# Allegro board FMDEMOD-57.brd (continued)
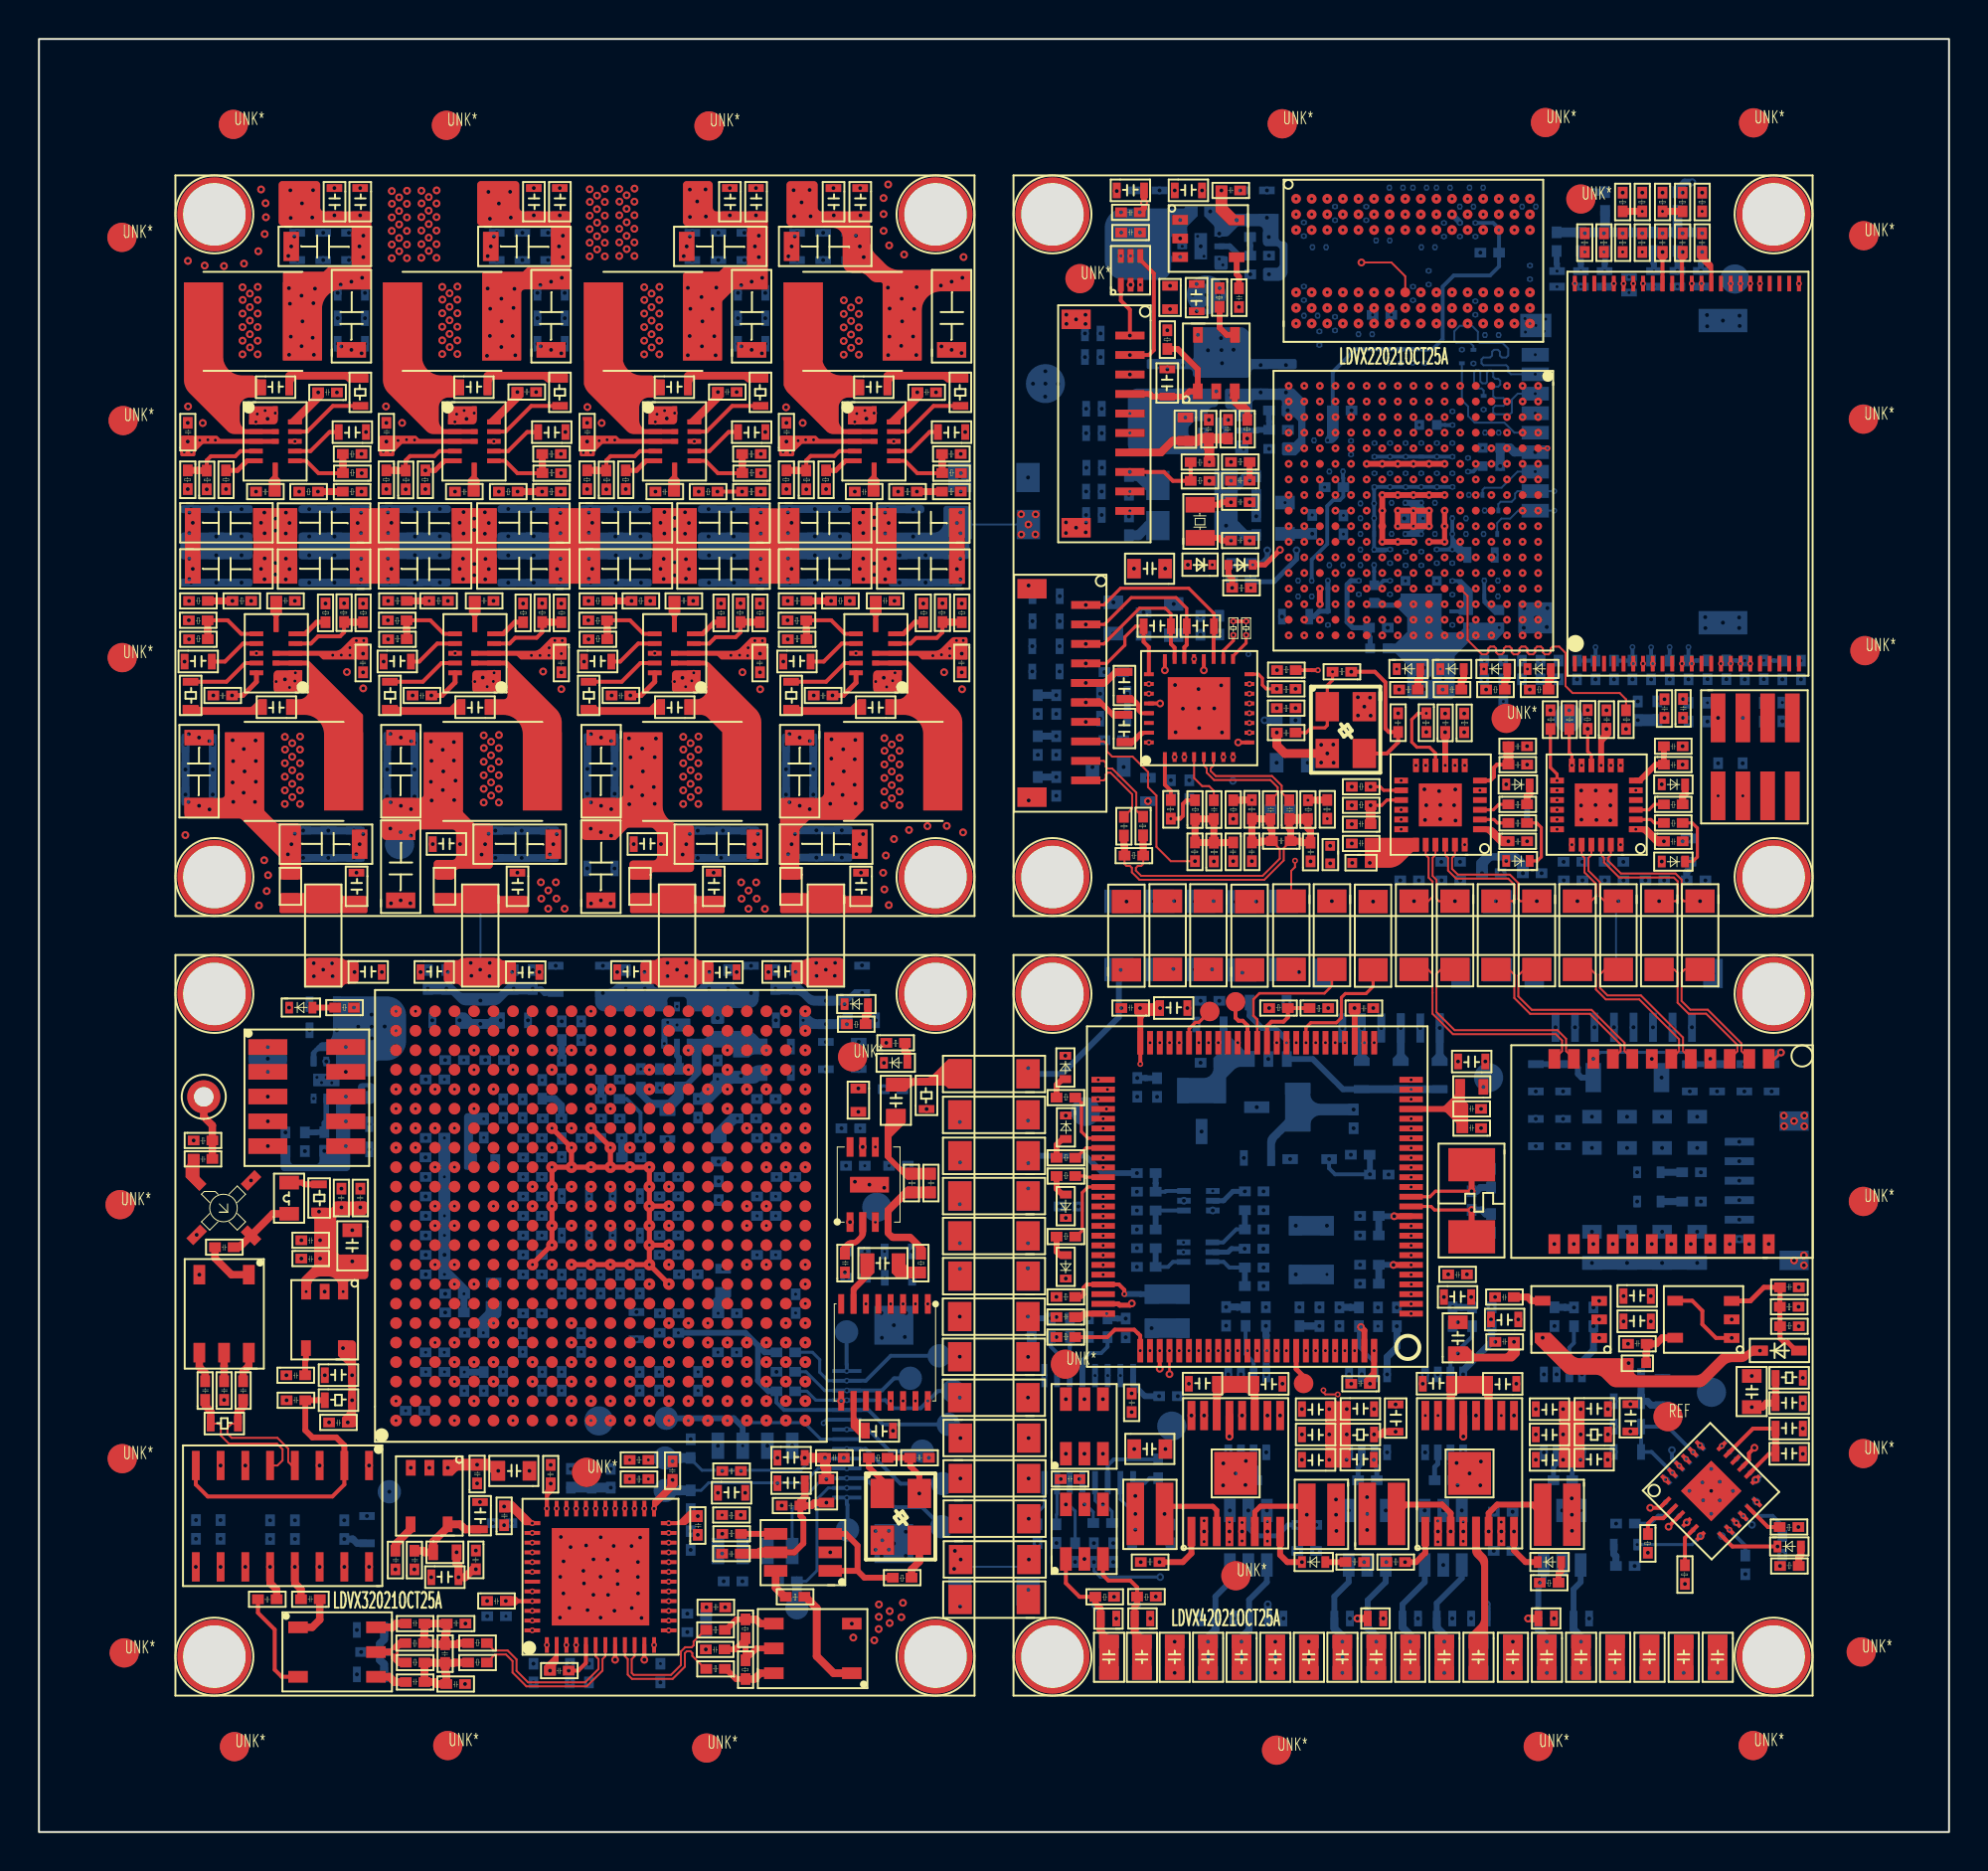
[diagram p0: board, top side]
## Placement (name value [footprint] x y rotation side) (continued)
NOREF#304  -  []  56.28 61.18 0 top
NOREF#305  -  []  16.16 21.75 90 top
NOREF#306  -  []  35.27 68.39 90 top
NOREF#307  -  []  27.73 30.2 90 top
NOREF#308  -  []  67.5 7.96 90 top
NOREF#309  -  []  73.07 67.01 90 top
NOREF#310  -  []  78.05 54.75 90 top
NOREF#311  -  []  14.1 49.32 90 top
NOREF#312  -  []  61.72 35.8 0 top
NOREF#313  -  []  38.17 49.9 90 top
NOREF#314  -  []  5.82 52.82 90 top
NOREF#315  -  []  54.35 58.81 0 top
NOREF#316  -  []  26.44 54.14 90 top
NOREF#317  -  []  27.19 61.61 90 top
NOREF#318  -  []  84.97 79.2 90 top
NOREF#319  -  []  65.84 34.99 0 top
NOREF#320  -  []  90.47 12.48 0 top
NOREF#321  -  []  26.27 64 90 top
NOREF#322  -  []  65.32 50.31 90 top
NOREF#323  -  []  62.33 7.97 90 top
NOREF#324  -  []  32.17 23.15 90 top
NOREF#325  -  []  7 47 90 top
NOREF#326  -  []  61.08 11.22 0 top
NOREF#327  -  []  17.29 70.24 0 top
NOREF#328  -  []  16.43 15.53 0 top
NOREF#329  -  []  29.18 67.97 0 top
NOREF#330  -  []  72.98 63.97 90 top
NOREF#331  -  []  34.39 26.23 90 top
NOREF#332  -  []  12.23 23.05 0 top
NOREF#333  -  []  26.43 63.99 90 top
NOREF#334  -  []  22.26 26.45 90 top
NOREF#335  -  []  61.52 17.5 90 top
NOREF#336  -  []  55.87 28.79 0 top
NOREF#337  -  []  52.56 66.52 0 top
NOREF#338  -  []  82.3 21.21 0 top
NOREF#339  -  []  64.72 53.4 0 top
NOREF#340  -  []  67.5 7.97 90 top
NOREF#341  -  []  62.59 82.73 90 top
NOREF#342  -  []  80.3 32.25 0 top
NOREF#343  -  []  73.19 67.92 0 top
NOREF#344  -  []  20.16 69.58 0 top
NOREF#345  -  []  80.87 80.61 0 top
NOREF#346  -  []  82.06 20.45 90 top
NOREF#347  -  []  85.77 9.97 90 top
NOREF#348  -  []  72.17 24.36 90 top
NOREF#349  -  []  21.43 64.02 90 top
NOREF#350  -  []  8.25 70.18 90 top
NOREF#351  -  []  60.19 77.8 90 top
NOREF#352  -  []  18.62 68.55 90 top
NOREF#353  -  []  79.64 49.39 90 top
NOREF#354  -  []  33.12 82.16 0 top
NOREF#355  -  []  32.01 50.29 90 top
NOREF#356  -  []  31.8 74.54 0 top
NOREF#357  -  []  8 21.07 0 top
NOREF#358  -  []  56.28 61.18 90 top
NOREF#359  -  []  70.9 23.41 0 top
NOREF#360  -  []  38.24 52.8 90 top
NOREF#361  -  []  71.5 48.44 0 top
NOREF#362  -  []  38.23 54.44 0 top
NOREF#363  -  []  70.4 26.6 90 top
NOREF#364  -  []  84.08 48.44 0 top
NOREF#365  -  []  28.61 57.52 90 top
NOREF#366  -  []  78.81 79.19 90 top
NOREF#367  -  []  35.03 49.32 90 top
NOREF#368  -  []  39.48 49.9 0 top
NOREF#369  -  []  35.37 7.2 0 top
NOREF#370  -  []  75.95 20.2 0 top
NOREF#371  -  []  36.5 10.45 0 top
NOREF#372  -  []  75.68 15.42 90 top
NOREF#373  -  []  21.26 37.45 90 top
NOREF#374  -  []  12.66 11.55 90 top
NOREF#375  -  []  41.6 18.3 90 top
NOREF#376  -  []  15.28 71.42 90 top
NOREF#377  -  []  110.6 59.7 90 top
NOREF#378  -  []  59.63 71.04 0 top
NOREF#379  -  []  26.26 25.44 90 top
NOREF#380  -  []  56.2 47.97 90 top
NOREF#381  -  []  87.13 58.68 90 top
NOREF#382  -  []  68.25 60.99 0 top
NOREF#383  -  []  75.91 38.63 90 top
NOREF#384  -  []  58.9 7.97 90 top
NOREF#385  -  []  16.09 44.53 0 top
NOREF#386  -  []  25.72 81.37 0 top
NOREF#387  -  []  79.96 82.72 90 top
NOREF#388  -  []  40.18 62.78 90 top
NOREF#389  -  []  83.96 58.59 0 top
NOREF#390  -  []  84.79 50.44 90 top
NOREF#391  -  []  34.61 63.5 0 top
NOREF#392  -  []  56.51 79.39 90 top
NOREF#393  -  []  73.58 61.75 90 top
NOREF#394  -  []  60.19 77.8 0 top
NOREF#395  -  []  28.52 70.88 90 top
NOREF#396  -  []  14.11 23.05 90 top
NOREF#397  -  []  55.52 7.97 90 top
NOREF#398  -  []  53.63 68.48 90 top
NOREF#399  -  []  46.87 73.07 90 top
NOREF#400  -  []  64.1 13.26 0 top
NOREF#401  -  []  83.3 24.75 90 top
NOREF#402  -  []  13 63.99 0 top
NOREF#403  -  []  76.81 51.39 90 top
NOREF#404  -  []  23 51.48 90 top
NOREF#405  -  []  74.93 54.38 90 top
NOREF#406  -  []  26.26 31.44 90 top
NOREF#407  -  []  87.15 56.52 90 top
NOREF#408  -  []  63.57 76.97 0 top
NOREF#409  -  []  70.7 17.66 90 top
NOREF#410  -  []  68.09 76.05 0 top
NOREF#411  -  []  71.13 15.42 0 top
NOREF#412  -  []  79.9 20.8 90 top
NOREF#413  -  []  25.31 43.74 0 top
NOREF#414  -  []  27.74 61.59 0 top
NOREF#415  -  []  37.7 9.42 90 top
NOREF#416  -  []  72.29 63.81 0 top
NOREF#417  -  []  68.17 12.68 0 top
NOREF#418  -  []  66.5 76.69 90 top
NOREF#419  -  []  64.28 25.5 0 top
NOREF#420  -  []  86 58.69 90 top
NOREF#421  -  []  70.12 65.3 0 top
NOREF#422  -  []  13.29 10.5 0 top
NOREF#423  -  []  17.77 34.23 90 top
NOREF#424  -  []  22.58 40.96 0 top
NOREF#425  -  []  33.65 38.17 0 top
NOREF#426  -  []  77.58 58.68 90 top
NOREF#427  -  []  32.15 62.78 90 top
NOREF#428  -  []  35.77 71.42 90 top
NOREF#429  -  []  36.6 63.5 0 top
NOREF#430  -  []  74.93 51.39 0 top
NOREF#431  -  []  63.05 57.28 0 top
NOREF#432  -  []  63.01 27.62 0 top
NOREF#433  -  []  28.03 49.03 0 top
NOREF#434  -  []  85.02 76.62 90 top
NOREF#435  -  []  55.87 30.72 0 top
NOREF#436  -  []  29.18 67.2 0 top
NOREF#437  -  []  56.13 17.92 90 top
NOREF#438  -  []  83.79 56.7 90 top
NOREF#439  -  []  64.48 51.13 0 top
NOREF#440  -  []  7.37 60.47 0 top
NOREF#441  -  []  23.11 73.73 90 top
NOREF#442  -  []  8.04 67.98 0 top
NOREF#443  -  []  14.75 64.01 0 top
NOREF#444  -  []  36.56 49.88 90 top
NOREF#445  -  []  45.5 68.39 90 top
NOREF#446  -  []  30.49 36.13 90 top
NOREF#447  -  []  66.61 41.89 90 top
NOREF#448  -  []  19.31 27.88 90 top
NOREF#449  -  []  13.66 80.56 90 top
NOREF#450  -  []  7.42 54.11 0 top
NOREF#451  -  []  23.83 17.03 90 top
NOREF#452  -  []  20.16 64.01 90 top
NOREF#453  -  []  78.92 80.61 0 top
NOREF#454  -  []  34.86 33.22 90 top
NOREF#455  -  []  66.74 34.99 90 top
NOREF#456  -  []  54.19 17.92 0 top
NOREF#457  -  []  17.69 43.72 90 top
NOREF#458  -  []  73.77 60.56 0 top
NOREF#459  -  []  41.17 82.85 90 top
NOREF#460  -  []  72 37.9 0 top
NOREF#461  -  []  55.24 9.95 0 top
NOREF#462  -  []  58.74 31.89 90 top
NOREF#463  -  []  37.85 11.68 0 top
NOREF#464  -  []  20.94 11.46 0 top
NOREF#465  -  []  59.45 73.92 90 top
NOREF#466  -  []  7 85 0 top
NOREF#467  -  []  63.22 73.34 90 top
NOREF#468  -  []  22.78 31 0 top
NOREF#469  -  []  68.6 21.3 90 top
NOREF#470  -  []  29.63 49.03 90 top
NOREF#471  -  []  75.9 24.21 0 top
NOREF#472  -  []  44.89 30.19 90 top
NOREF#473  -  []  91.8 92.3 0 top
NOREF#474  -  []  46.87 74.67 0 top
NOREF#475  -  []  17.45 31.08 90 top
NOREF#476  -  []  73.39 44.71 90 top
NOREF#477  -  []  64.66 83.77 0 top
NOREF#478  -  []  58.74 32.89 0 top
NOREF#479  -  []  58.63 68.94 90 top
NOREF#480  -  []  90.01 58.68 90 top
NOREF#481  -  []  73.23 7.97 90 top
NOREF#482  -  []  77.59 79.19 0 top
NOREF#483  -  []  72.57 36.51 0 top
NOREF#484  -  []  25.37 69.33 90 top
NOREF#485  -  []  13 29.03 0 top
NOREF#486  -  []  60.33 30.59 90 top
NOREF#487  -  []  37.27 10.36 90 top
NOREF#488  -  []  79.8 24.05 0 top
NOREF#489  -  []  43.16 33.8 0 top
NOREF#490  -  []  14.7 51.48 90 top
NOREF#491  -  []  70.22 67.97 0 top
NOREF#492  -  []  27.89 64.77 0 top
NOREF#493  -  []  76.81 54.38 90 top
NOREF#494  -  []  29.72 68.44 0 top
NOREF#495  -  []  67.5 7.96 90 top
NOREF#496  -  []  71.07 78.22 0 top
NOREF#497  -  []  60.39 61.47 90 top
NOREF#498  -  []  80.05 25.35 90 top
NOREF#499  -  []  82.3 36.9 90 top
NOREF#500  -  []  88.7 37.9 90 top
NOREF#501  -  []  82.3 31 90 top
NOREF#502  -  []  58.7 38.04 0 top
NOREF#503  -  []  29.98 36.22 0 top
NOREF#504  -  []  61.69 80.5 90 top
NOREF#505  -  []  5.82 52.82 0 top
NOREF#506  -  []  36.63 54.12 90 top
NOREF#507  -  []  54.35 57.54 0 top
NOREF#508  -  []  71.48 7.97 90 top
NOREF#509  -  []  76.25 7.97 90 top
NOREF#510  -  []  55.97 67.78 90 top
NOREF#511  -  []  23.33 82.17 0 top
NOREF#512  -  []  7.42 54.41 90 top
NOREF#513  -  []  66.3 20.31 0 top
NOREF#514  -  []  80.87 82.69 90 top
NOREF#515  -  []  77.58 60.56 0 top
NOREF#516  -  []  74.75 29.65 0 top
NOREF#517  -  []  37.98 35.22 0 top
NOREF#518  -  []  81.96 48.44 0 top
NOREF#519  -  []  68.59 18.7 90 top
NOREF#520  -  []  44.6 73.48 90 top
NOREF#521  -  []  70.07 74.76 0 top
NOREF#522  -  []  13 66.36 0 top
NOREF#523  -  []  28.07 26.54 0 top
NOREF#524  -  []  17.43 68.44 90 top
NOREF#525  -  []  36.48 18.14 90 top
NOREF#526  -  []  39.83 61.78 90 top
NOREF#527  -  []  84.24 60.56 0 top
NOREF#528  -  []  92.35 24.78 90 top
NOREF#529  -  []  29.85 18.7 0 top
NOREF#530  -  []  17.79 29.22 90 top
NOREF#531  -  []  44.44 28.05 90 top
NOREF#532  -  []  52.63 14.36 0 top
NOREF#533  -  []  56.42 23.9 0 top
NOREF#534  -  []  61.66 49.35 0 top
NOREF#535  -  []  80.87 82.69 0 top
NOREF#536  -  []  42.59 35.72 90 top
NOREF#537  -  []  81.82 56.14 90 top
NOREF#538  -  []  66.51 49.65 90 top
NOREF#539  -  []  36.63 55.39 0 top
NOREF#540  -  []  31.49 5.62 0 top
NOREF#541  -  []  34.41 9.87 0 top
NOREF#542  -  []  29.18 65.6 90 top
NOREF#543  -  []  64.03 39.66 90 top
NOREF#544  -  []  58.67 82.76 90 top
NOREF#545  -  []  31.17 68.39 0 top
NOREF#546  -  []  78.5 7.97 90 top
NOREF#547  -  []  25.19 42.06 0 top
NOREF#548  -  []  73.8 74.74 0 top
NOREF#549  -  []  42.88 39.28 0 top
NOREF#550  -  []  63.56 81.45 90 top
NOREF#551  -  []  69.68 67.18 90 top
NOREF#552  -  []  39.26 23.22 90 top
NOREF#553  -  []  14.18 82.16 0 top
NOREF#554  -  []  39.69 59.66 90 top
NOREF#555  -  []  63.3 66.41 90 top
NOREF#556  -  []  26.27 64 0 top
NOREF#557  -  []  76.65 60.56 0 top
NOREF#558  -  []  64.89 27.62 90 top
NOREF#559  -  []  62.63 63.77 90 top
NOREF#560  -  []  6.57 60.72 0 top
NOREF#561  -  []  69.34 55.98 90 top
NOREF#562  -  []  66.24 71.18 0 top
NOREF#563  -  []  60.38 26.48 0 top
NOREF#564  -  []  82.8 27.1 90 top
NOREF#565  -  []  72.73 7.97 90 top
NOREF#566  -  []  83.76 79.2 0 top
NOREF#567  -  []  17.78 52.8 90 top
NOREF#568  -  []  33.97 64 0 top
NOREF#569  -  []  57.72 11.26 90 top
NOREF#570  -  []  63.32 34.99 90 top
NOREF#571  -  []  4.22 54.41 0 top
NOREF#572  -  []  13.38 13.94 0 top
NOREF#573  -  []  14.88 29.97 90 top
NOREF#574  -  []  50.95 53.1 90 top
NOREF#575  -  []  43.29 31 0 top
NOREF#576  -  []  18.07 56.97 0 top
NOREF#577  -  []  54.21 55.63 90 top
NOREF#578  -  []  56.26 50.68 90 top
NOREF#579  -  []  90.6 71.7 0 top
NOREF#580  -  []  25.48 76.77 0 top
NOREF#581  -  []  83.22 80.66 90 top
NOREF#582  -  []  24.98 7.22 90 top
NOREF#583  -  []  53.34 24.23 0 top
NOREF#584  -  []  64.93 58.27 90 top
NOREF#585  -  []  62.66 41.89 90 top
NOREF#586  -  []  39.4 64 90 top
NOREF#587  -  []  36.6 59.04 90 top
NOREF#588  -  []  54.51 14.36 90 top
NOREF#589  -  []  39.84 78.96 0 top
NOREF#590  -  []  42.23 41.25 90 top
NOREF#591  -  []  57.75 27.83 90 top
NOREF#592  -  []  72.33 65.91 0 top
NOREF#593  -  []  66.9 53.24 90 top
NOREF#594  -  []  26.29 23.15 0 top
NOREF#595  -  []  54.77 10.25 0 top
NOREF#596  -  []  79.9 80.61 0 top
NOREF#597  -  []  20.51 46.29 0 top
NOREF#598  -  []  12.57 61.75 90 top
NOREF#599  -  []  79.5 80.66 90 top
NOREF#600  -  []  67.09 69.5 0 top
NOREF#601  -  []  70.22 75.77 0 top
NOREF#602  -  []  21.08 43.72 90 top
NOREF#603  -  []  39.48 49.9 90 top
NOREF#604  -  []  82.33 58.68 90 top
NOREF#605  -  []  17.43 68.44 0 top
NOREF#606  -  []  41.96 49.88 90 top
NOREF#607  -  []  72.75 84.2 0 top
NOREF#608  -  []  48.4 69.19 90 top
NOREF#609  -  []  24.41 11.47 90 top
NOREF#610  -  []  87 27.95 0 top
NOREF#611  -  []  16.34 41.13 0 top
NOREF#612  -  []  82.33 60.56 0 top
NOREF#613  -  []  68.62 66.37 0 top
NOREF#614  -  []  76.13 27.06 90 top
NOREF#615  -  []  34.68 53.08 0 top
NOREF#616  -  []  56.94 82.72 90 top
NOREF#617  -  []  74.93 51.39 90 top
NOREF#618  -  []  60.67 47.74 90 top
NOREF#619  -  []  80.03 79.19 90 top
NOREF#620  -  []  70.86 9.66 0 top
NOREF#621  -  []  74.25 27.06 0 top
NOREF#622  -  []  68.92 31.22 0 top
NOREF#623  -  []  79.87 50.17 0 top
NOREF#624  -  []  36.5 8.35 0 top
NOREF#625  -  []  62.07 66.09 0 top
NOREF#626  -  []  70.13 85.63 0 top
NOREF#627  -  []  11.82 21.07 90 top
NOREF#628  -  []  65.12 82.71 90 top
NOREF#629  -  []  36.05 67.97 0 top
NOREF#630  -  []  64.89 32.48 90 top
NOREF#631  -  []  45.76 61.61 90 top
NOREF#632  -  []  57.48 73.55 90 top
NOREF#633  -  []  29.72 68.44 90 top
NOREF#634  -  []  17.67 8.84 0 top
NOREF#635  -  []  26 80.56 90 top
NOREF#636  -  []  15.91 13.94 0 top
NOREF#637  -  []  27.64 7.89 90 top
NOREF#638  -  []  26.53 80.57 90 top
NOREF#639  -  []  33.41 16.67 0 top
NOREF#640  -  []  28.02 47.95 90 top
NOREF#641  -  []  62.5 32.6 90 top
NOREF#642  -  []  16.1 60.98 0 top
NOREF#643  -  []  21.9 63.56 0 top
NOREF#644  -  []  31.46 36.13 0 top
NOREF#645  -  []  74.19 17.6 0 top
NOREF#646  -  []  82.91 51.39 0 top
NOREF#647  -  []  61.17 41.38 0 top
NOREF#648  -  []  61.48 61.81 0 top
NOREF#649  -  []  47.75 68.39 90 top
NOREF#650  -  []  58.92 50.95 90 top
NOREF#651  -  []  17.79 32 0 top
NOREF#652  -  []  54.04 24.3 90 top
NOREF#653  -  []  20.22 9.31 90 top
NOREF#654  -  []  75.04 73.06 0 top
NOREF#655  -  []  13.14 51.48 90 top
NOREF#656  -  []  73.76 30.82 0 top
NOREF#657  -  []  75.85 33.57 90 top
NOREF#658  -  []  45.52 20.99 90 top
NOREF#659  -  []  30.7 46.29 0 top
NOREF#660  -  []  21.38 26.01 0 top
NOREF#661  -  []  32.81 10.81 90 top
NOREF#662  -  []  20.44 7.2 0 top
NOREF#663  -  []  39.98 42.05 0 top
NOREF#664  -  []  63.01 30.53 0 top
NOREF#665  -  []  85.8 18.7 0 top
NOREF#666  -  []  37.5 68.39 90 top
NOREF#667  -  []  19.44 68.44 90 top
NOREF#668  -  []  20.16 64.01 0 top
NOREF#669  -  []  88.5 38.71 0 top
NOREF#670  -  []  47.54 37 90 top
NOREF#671  -  []  19.32 61.78 90 top
NOREF#672  -  []  12.57 62.53 0 top
NOREF#673  -  []  14.56 23.85 0 top
NOREF#674  -  []  72.71 39.13 0 top
NOREF#675  -  []  57.65 7.97 90 top
NOREF#676  -  []  74.86 74.74 90 top
NOREF#677  -  []  87.02 55.3 0 top
NOREF#678  -  []  60.76 63.45 0 top
NOREF#679  -  []  28.33 33.04 0 top
NOREF#680  -  []  70.1 17.1 0 top
NOREF#681  -  []  38.19 50.12 0 top
NOREF#682  -  []  29.07 26.54 0 top
NOREF#683  -  []  19.96 7.53 0 top
NOREF#684  -  []  17.58 64.01 0 top
NOREF#685  -  []  25.48 77.27 90 top
NOREF#686  -  []  75.95 84.2 0 top
NOREF#687  -  []  26.26 33.44 90 top
NOREF#688  -  []  22.86 35.22 90 top
NOREF#689  -  []  22.53 11.47 0 top
NOREF#690  -  []  74.5 82.25 90 top
NOREF#691  -  []  24.98 67.98 90 top
NOREF#692  -  []  79.75 7.97 90 top
NOREF#693  -  []  24.09 74.27 0 top
NOREF#694  -  []  74.93 51.39 0 top
NOREF#695  -  []  22.78 28.22 90 top
NOREF#696  -  []  25.71 53.08 0 top
NOREF#697  -  []  39.97 37.44 0 top
NOREF#698  -  []  25.29 23.15 0 top
NOREF#699  -  []  90.7 40.9 0 top
NOREF#700  -  []  32.12 17.6 90 top
NOREF#701  -  []  73.06 38.01 90 top
NOREF#702  -  []  57.01 52.5 90 top
NOREF#703  -  []  19.21 68.43 90 top
NOREF#704  -  []  84.76 11.22 0 top
NOREF#705  -  []  83.67 80.66 0 top
NOREF#706  -  []  32.66 33.85 90 top
NOREF#707  -  []  79.63 9.66 0 top
NOREF#708  -  []  36.12 44.55 90 top
NOREF#709  -  []  54.21 59.12 0 top
NOREF#710  -  []  24.38 25.44 0 top
NOREF#711  -  []  15.77 32.55 0 top
NOREF#712  -  []  19.41 7.69 90 top
NOREF#713  -  []  68.92 41.89 90 top
NOREF#714  -  []  32.44 41.22 0 top
NOREF#715  -  []  35.62 70.32 0 top
NOREF#716  -  []  37.79 18.31 0 top
NOREF#717  -  []  57.75 30.72 90 top
NOREF#718  -  []  70.77 72.94 0 top
NOREF#719  -  []  68.75 71.45 0 top
NOREF#720  -  []  76.7 20.3 0 top
NOREF#721  -  []  82.91 80.61 90 top
NOREF#722  -  []  81.64 56.59 90 top
NOREF#723  -  []  57.72 9.66 90 top
NOREF#724  -  []  70.49 9.97 90 top
NOREF#725  -  []  71.37 83.68 90 top
NOREF#726  -  []  63.3 54.23 0 top
NOREF#727  -  []  63.08 9.97 90 top
NOREF#728  -  []  81.88 78.89 90 top
NOREF#729  -  []  55.87 31.68 0 top
NOREF#730  -  []  33.65 38.17 90 top
NOREF#731  -  []  38.92 66.38 90 top
NOREF#732  -  []  17.04 36.73 0 top
NOREF#733  -  []  41.65 42.25 0 top
NOREF#734  -  []  78.3 22.91 0 top
NOREF#735  -  []  64.54 52.19 0 top
NOREF#736  -  []  25.65 34.18 0 top
NOREF#737  -  []  51.91 32.49 90 top
NOREF#738  -  []  30.36 35.08 90 top
NOREF#739  -  []  59.36 11.22 0 top
NOREF#740  -  []  35.98 72.71 0 top
NOREF#741  -  []  14.59 10.77 0 top
NOREF#742  -  []  68.77 62.02 90 top
NOREF#743  -  []  53.62 67.88 0 top
NOREF#744  -  []  45.08 64.01 90 top
NOREF#745  -  []  38.77 82.17 0 top
NOREF#746  -  []  35.62 68.39 0 top
NOREF#747  -  []  33.36 49.88 0 top
NOREF#748  -  []  53.57 75.98 0 top
NOREF#749  -  []  25.36 70.32 0 top
NOREF#750  -  []  77.77 50.17 0 top
NOREF#751  -  []  43.15 67.97 0 top
NOREF#752  -  []  43.16 33.8 90 top
NOREF#753  -  []  82.06 15.44 0 top
NOREF#754  -  []  35.17 23.15 90 top
NOREF#755  -  []  25.51 71.42 0 top
NOREF#756  -  []  35.5 25.9 90 top
NOREF#757  -  []  39.4 64 0 top
NOREF#758  -  []  80.59 18.7 90 top
NOREF#759  -  []  36.34 17 90 top
NOREF#760  -  []  18.64 34.62 90 top
NOREF#761  -  []  62.62 55.01 0 top
NOREF#762  -  []  73.44 82.25 0 top
NOREF#763  -  []  81.89 24.85 90 top
NOREF#764  -  []  34.74 17.81 0 top
NOREF#765  -  []  25.75 49.32 90 top
NOREF#766  -  []  40.7 64 0 top
NOREF#767  -  []  77.94 56.14 90 top
NOREF#768  -  []  45.84 18.03 0 top
NOREF#769  -  []  35.6 61.62 90 top
NOREF#770  -  []  74.93 50.45 0 top
NOREF#771  -  []  65.5 23.4 90 top
NOREF#772  -  []  33.26 24.44 90 top
NOREF#773  -  []  57.4 53.05 0 top
NOREF#774  -  []  22.65 36.18 90 top
NOREF#775  -  []  29.85 17.72 0 top
NOREF#776  -  []  65.78 7.97 90 top
NOREF#777  -  []  33.75 8.98 0 top
NOREF#778  -  []  67.8 17.9 90 top
NOREF#779  -  []  79.07 56.15 90 top
NOREF#780  -  []  28.92 57.93 0 top
NOREF#781  -  []  80.03 79.19 0 top
NOREF#782  -  []  41.82 46.15 0 top
NOREF#783  -  []  74.93 54.38 0 top
NOREF#784  -  []  29.57 44.53 0 top
NOREF#785  -  []  42.23 42.85 0 top
NOREF#786  -  []  62.48 37.19 0 top
NOREF#787  -  []  74.96 77.24 90 top
NOREF#788  -  []  73.94 65.91 0 top
NOREF#789  -  []  55.87 32.64 0 top
NOREF#790  -  []  37.36 79.38 0 top
NOREF#791  -  []  67.96 9.66 90 top
NOREF#792  -  []  35.63 70.11 0 top
NOREF#793  -  []  12.18 40.73 90 top
NOREF#794  -  []  32.98 32.22 0 top
NOREF#795  -  []  27.17 23.15 90 top
NOREF#796  -  []  89.84 56.53 90 top
NOREF#797  -  []  84.24 56.52 90 top
NOREF#798  -  []  26.41 59.04 0 top
NOREF#799  -  []  70.27 77.41 90 top
NOREF#800  -  []  69.68 66.37 90 top
NOREF#801  -  []  27.89 67.2 0 top
NOREF#802  -  []  17.59 67.97 0 top
NOREF#803  -  []  72.88 82.25 90 top
NOREF#804  -  []  16.16 23.04 90 top
NOREF#805  -  []  31.84 33.85 0 top
NOREF#806  -  []  77.02 89.62 0 top
NOREF#807  -  []  24.38 34.44 0 top
NOREF#808  -  []  34.6 18.14 0 top
NOREF#809  -  []  34.03 10.73 0 top
NOREF#810  -  []  73.9 77.24 0 top
NOREF#811  -  []  34.59 15.88 0 top
NOREF#812  -  []  36.42 41 0 top
NOREF#813  -  []  22.78 29 0 top
NOREF#814  -  []  89.06 58.68 90 top
NOREF#815  -  []  38.43 29.65 0 top
NOREF#816  -  []  76.77 69.8 0 top
NOREF#817  -  []  55.07 81.68 90 top
NOREF#818  -  []  75.67 48.8 90 top
NOREF#819  -  []  88.89 58.69 90 top
NOREF#820  -  []  74.94 13.18 90 top
NOREF#821  -  []  39.86 31.22 90 top
NOREF#822  -  []  19.52 25.96 0 top
NOREF#823  -  []  64.26 71.56 0 top
NOREF#824  -  []  83.01 9.97 90 top
NOREF#825  -  []  55.47 14.36 90 top
NOREF#826  -  []  57.65 7.97 90 top
NOREF#827  -  []  45.26 66.37 90 top
NOREF#828  -  []  24.75 42.81 90 top
NOREF#829  -  []  53.59 14.36 0 top
NOREF#830  -  []  72.72 69.96 0 top
NOREF#831  -  []  45.97 61.62 0 top
NOREF#832  -  []  74.74 60.56 0 top
NOREF#833  -  []  13.25 32.88 90 top
NOREF#834  -  []  17.78 34 0 top
NOREF#835  -  []  23.04 49.88 0 top
NOREF#836  -  []  13.79 56.52 90 top
NOREF#837  -  []  74.74 56.59 90 top
NOREF#838  -  []  53.57 76.59 90 top
NOREF#839  -  []  63.19 61.81 90 top
NOREF#840  -  []  33.83 16.11 90 top
NOREF#841  -  []  83.94 82.69 0 top
NOREF#842  -  []  31.73 17.72 90 top
NOREF#843  -  []  58.29 76.97 0 top
NOREF#844  -  []  37.86 72.71 90 top
NOREF#845  -  []  7.47 34.15 0 top
NOREF#846  -  []  84.55 23.88 90 top
NOREF#847  -  []  54.49 49.07 0 top
NOREF#848  -  []  9.76 62.64 90 top
NOREF#849  -  []  16.08 74.67 0 top
NOREF#850  -  []  54.66 10.72 90 top
NOREF#851  -  []  18.73 12.38 0 top
NOREF#852  -  []  85.51 11.22 0 top
NOREF#853  -  []  38.17 49.9 0 top
NOREF#854  -  []  39.49 36.95 90 top
NOREF#855  -  []  15.57 82.85 90 top
NOREF#856  -  []  38.38 8.35 90 top
NOREF#857  -  []  83.77 11.22 0 top
NOREF#858  -  []  15.46 31.52 90 top
NOREF#859  -  []  28.21 40.17 90 top
NOREF#860  -  []  38.68 36.95 0 top
NOREF#861  -  []  69.68 65.57 90 top
NOREF#862  -  []  58.29 75.37 90 top
NOREF#863  -  []  34.77 44.41 90 top
NOREF#864  -  []  30.49 36.13 0 top
NOREF#865  -  []  20.16 67.98 90 top
NOREF#866  -  []  24.43 22.58 0 top
NOREF#867  -  []  84.1 31 90 top
NOREF#868  -  []  16.46 10.77 90 top
NOREF#869  -  []  68.09 76.05 90 top
NOREF#870  -  []  55.24 14.21 0 top
NOREF#871  -  []  82.91 82.69 90 top
NOREF#872  -  []  10.77 24.6 90 top
NOREF#873  -  []  70.05 12.68 90 top
NOREF#874  -  []  22.65 36.18 0 top
NOREF#875  -  []  62.59 82.73 0 top
NOREF#876  -  []  21.57 57.31 90 top
NOREF#877  -  []  27.89 65.6 90 top
NOREF#878  -  []  6 6 90 top
NOREF#879  -  []  15.23 77.27 90 top
NOREF#880  -  []  58.3 13.72 0 top
NOREF#881  -  []  37.38 23 0 top
NOREF#882  -  []  62.64 64.72 90 top
NOREF#883  -  []  35.63 8.98 90 top
NOREF#884  -  []  70.27 12.68 0 top
NOREF#885  -  []  36.7 66.36 90 top
NOREF#886  -  []  80.3 38.15 0 top
NOREF#887  -  []  39.35 30.18 0 top
NOREF#888  -  []  57.08 82.73 0 top
NOREF#889  -  []  51.96 18.5 0 top
NOREF#890  -  []  30.86 35.22 90 top
NOREF#891  -  []  72.72 68.41 0 top
NOREF#892  -  []  85.22 56.52 90 top
NOREF#893  -  []  78.72 80.66 0 top
NOREF#894  -  []  56.88 25.22 90 top
NOREF#895  -  []  39.83 53.63 90 top
NOREF#896  -  []  43.35 12.66 0 top
NOREF#897  -  []  27.83 18.17 0 top
NOREF#898  -  []  11.41 32.31 0 top
NOREF#899  -  []  24.18 43.71 90 top
NOREF#900  -  []  62.66 42.67 0 top
NOREF#901  -  []  55.87 27.83 0 top
NOREF#902  -  []  26.44 55.42 90 top
NOREF#903  -  []  75.38 72.38 90 top
NOREF#904  -  []  90.01 60.56 0 top
NOREF#905  -  []  52.58 56.91 90 top
NOREF#906  -  []  55.53 68.15 0 top
NOREF#907  -  []  74.94 13.96 0 top
NOREF#908  -  []  68.92 30.22 0 top
NOREF#909  -  []  24.68 80.56 90 top
NOREF#910  -  []  61.34 73.34 0 top
NOREF#911  -  []  81.2 27.91 0 top
NOREF#912  -  []  19.18 59.66 90 top
NOREF#913  -  []  81.26 9.97 90 top
NOREF#914  -  []  61.18 79.67 0 top
NOREF#915  -  []  83.28 60.56 0 top
NOREF#916  -  []  10.8 66.37 90 top
NOREF#917  -  []  87.02 13.73 0 top
NOREF#918  -  []  64.26 70.58 0 top
NOREF#919  -  []  8.49 57.93 0 top
NOREF#920  -  []  72.57 35.73 90 top
NOREF#921  -  []  30.44 50.12 0 top
NOREF#922  -  []  40.28 39.9 90 top
NOREF#923  -  []  74.93 52.34 90 top
NOREF#924  -  []  76.63 29.65 90 top
NOREF#925  -  []  12.26 32.88 90 top
NOREF#926  -  []  81.2 26.61 0 top
NOREF#927  -  []  58.65 34.93 0 top
NOREF#928  -  []  36.12 46.15 0 top
NOREF#929  -  []  57.42 42.69 0 top
NOREF#930  -  []  35.6 61.62 0 top
NOREF#931  -  []  34.7 25.9 0 top
NOREF#932  -  []  89 21.11 0 top
NOREF#933  -  []  37.25 7.2 90 top
NOREF#934  -  []  66.9 51.11 0 top
NOREF#935  -  []  38.12 64 0 top
NOREF#936  -  []  19.7 66.37 90 top
NOREF#937  -  []  23.26 25.23 90 top
NOREF#938  -  []  8.78 15.55 0 top
NOREF#939  -  []  72.72 71.58 0 top
NOREF#940  -  []  79.9 17.9 90 top
NOREF#941  -  []  62.95 11.86 0 top
NOREF#942  -  []  69.42 81.43 0 top
NOREF#943  -  []  32.98 31.22 0 top
NOREF#944  -  []  88.85 15.26 0 top
NOREF#945  -  []  68.72 68.41 0 top
NOREF#946  -  []  89.06 60.56 0 top
NOREF#947  -  []  45.97 61.62 90 top
NOREF#948  -  []  16.08 73.07 90 top
NOREF#949  -  []  15.22 76.2 90 top
NOREF#950  -  []  60.21 83.84 90 top
NOREF#951  -  []  57.89 24.28 90 top
NOREF#952  -  []  83.85 32.68 0 top
NOREF#953  -  []  31.86 36.22 90 top
NOREF#954  -  []  23.67 65.6 90 top
NOREF#955  -  []  61.45 82.7 90 top
NOREF#956  -  []  33.96 64.77 0 top
NOREF#957  -  []  58.95 64.6 90 top
NOREF#958  -  []  38.65 14.42 90 top
NOREF#959  -  []  33.38 82.17 0 top
NOREF#960  -  []  27.74 63.56 0 top
NOREF#961  -  []  59.98 62.85 90 top
NOREF#962  -  []  77.6 26.7 90 top
NOREF#963  -  []  38.12 39.74 0 top
NOREF#964  -  []  77.8 38.71 0 top
NOREF#965  -  []  62.85 66.09 90 top
NOREF#966  -  []  61.05 73.33 0 top
NOREF#967  -  []  55.53 7.97 90 top
NOREF#968  -  []  27.13 82.85 90 top
NOREF#969  -  []  70.2 20.8 90 top
NOREF#970  -  []  60.7 65.88 90 top
NOREF#971  -  []  39 57.52 90 top
NOREF#972  -  []  43.28 68.39 90 top
NOREF#973  -  []  56.96 24.29 90 top
NOREF#974  -  []  21.43 66.39 90 top
NOREF#975  -  []  86.05 54.75 90 top
NOREF#976  -  []  28.7 64.77 90 top
NOREF#977  -  []  40.7 67.98 0 top
NOREF#978  -  []  23.67 69.58 0 top
NOREF#979  -  []  76.97 80.65 90 top
NOREF#980  -  []  75.04 78.07 0 top
NOREF#981  -  []  54.88 26.97 0 top
NOREF#982  -  []  67.22 81.08 90 top
NOREF#983  -  []  66.24 83.09 0 top
NOREF#984  -  []  68.92 28.72 0 top
NOREF#985  -  []  74.74 58.68 90 top
NOREF#986  -  []  29.98 66.37 90 top
NOREF#987  -  []  51.64 54.81 90 top
NOREF#988  -  []  83.94 15.44 90 top
NOREF#989  -  []  86.85 25.35 90 top
NOREF#990  -  []  17.79 31.22 90 top
NOREF#991  -  []  84.1 36.9 90 top
NOREF#992  -  []  31.95 26.54 90 top
NOREF#993  -  []  65.55 58.69 0 top
NOREF#994  -  []  40.86 33.22 90 top